# Altium PCB as_x31.PcbDoc (part 6 of 8)
Units mm, origin at the board's own origin, x right, y up, seen from the top; angles counter-clockwise.
Board outline 130 x 100 mm, 6 copper layers (Top Layer, Ground_1, int_1, int_2, Power, Bottom Layer), stack 1.49 mm thick; 424 components, 381 nets, 2569 pads, 1355 vias.
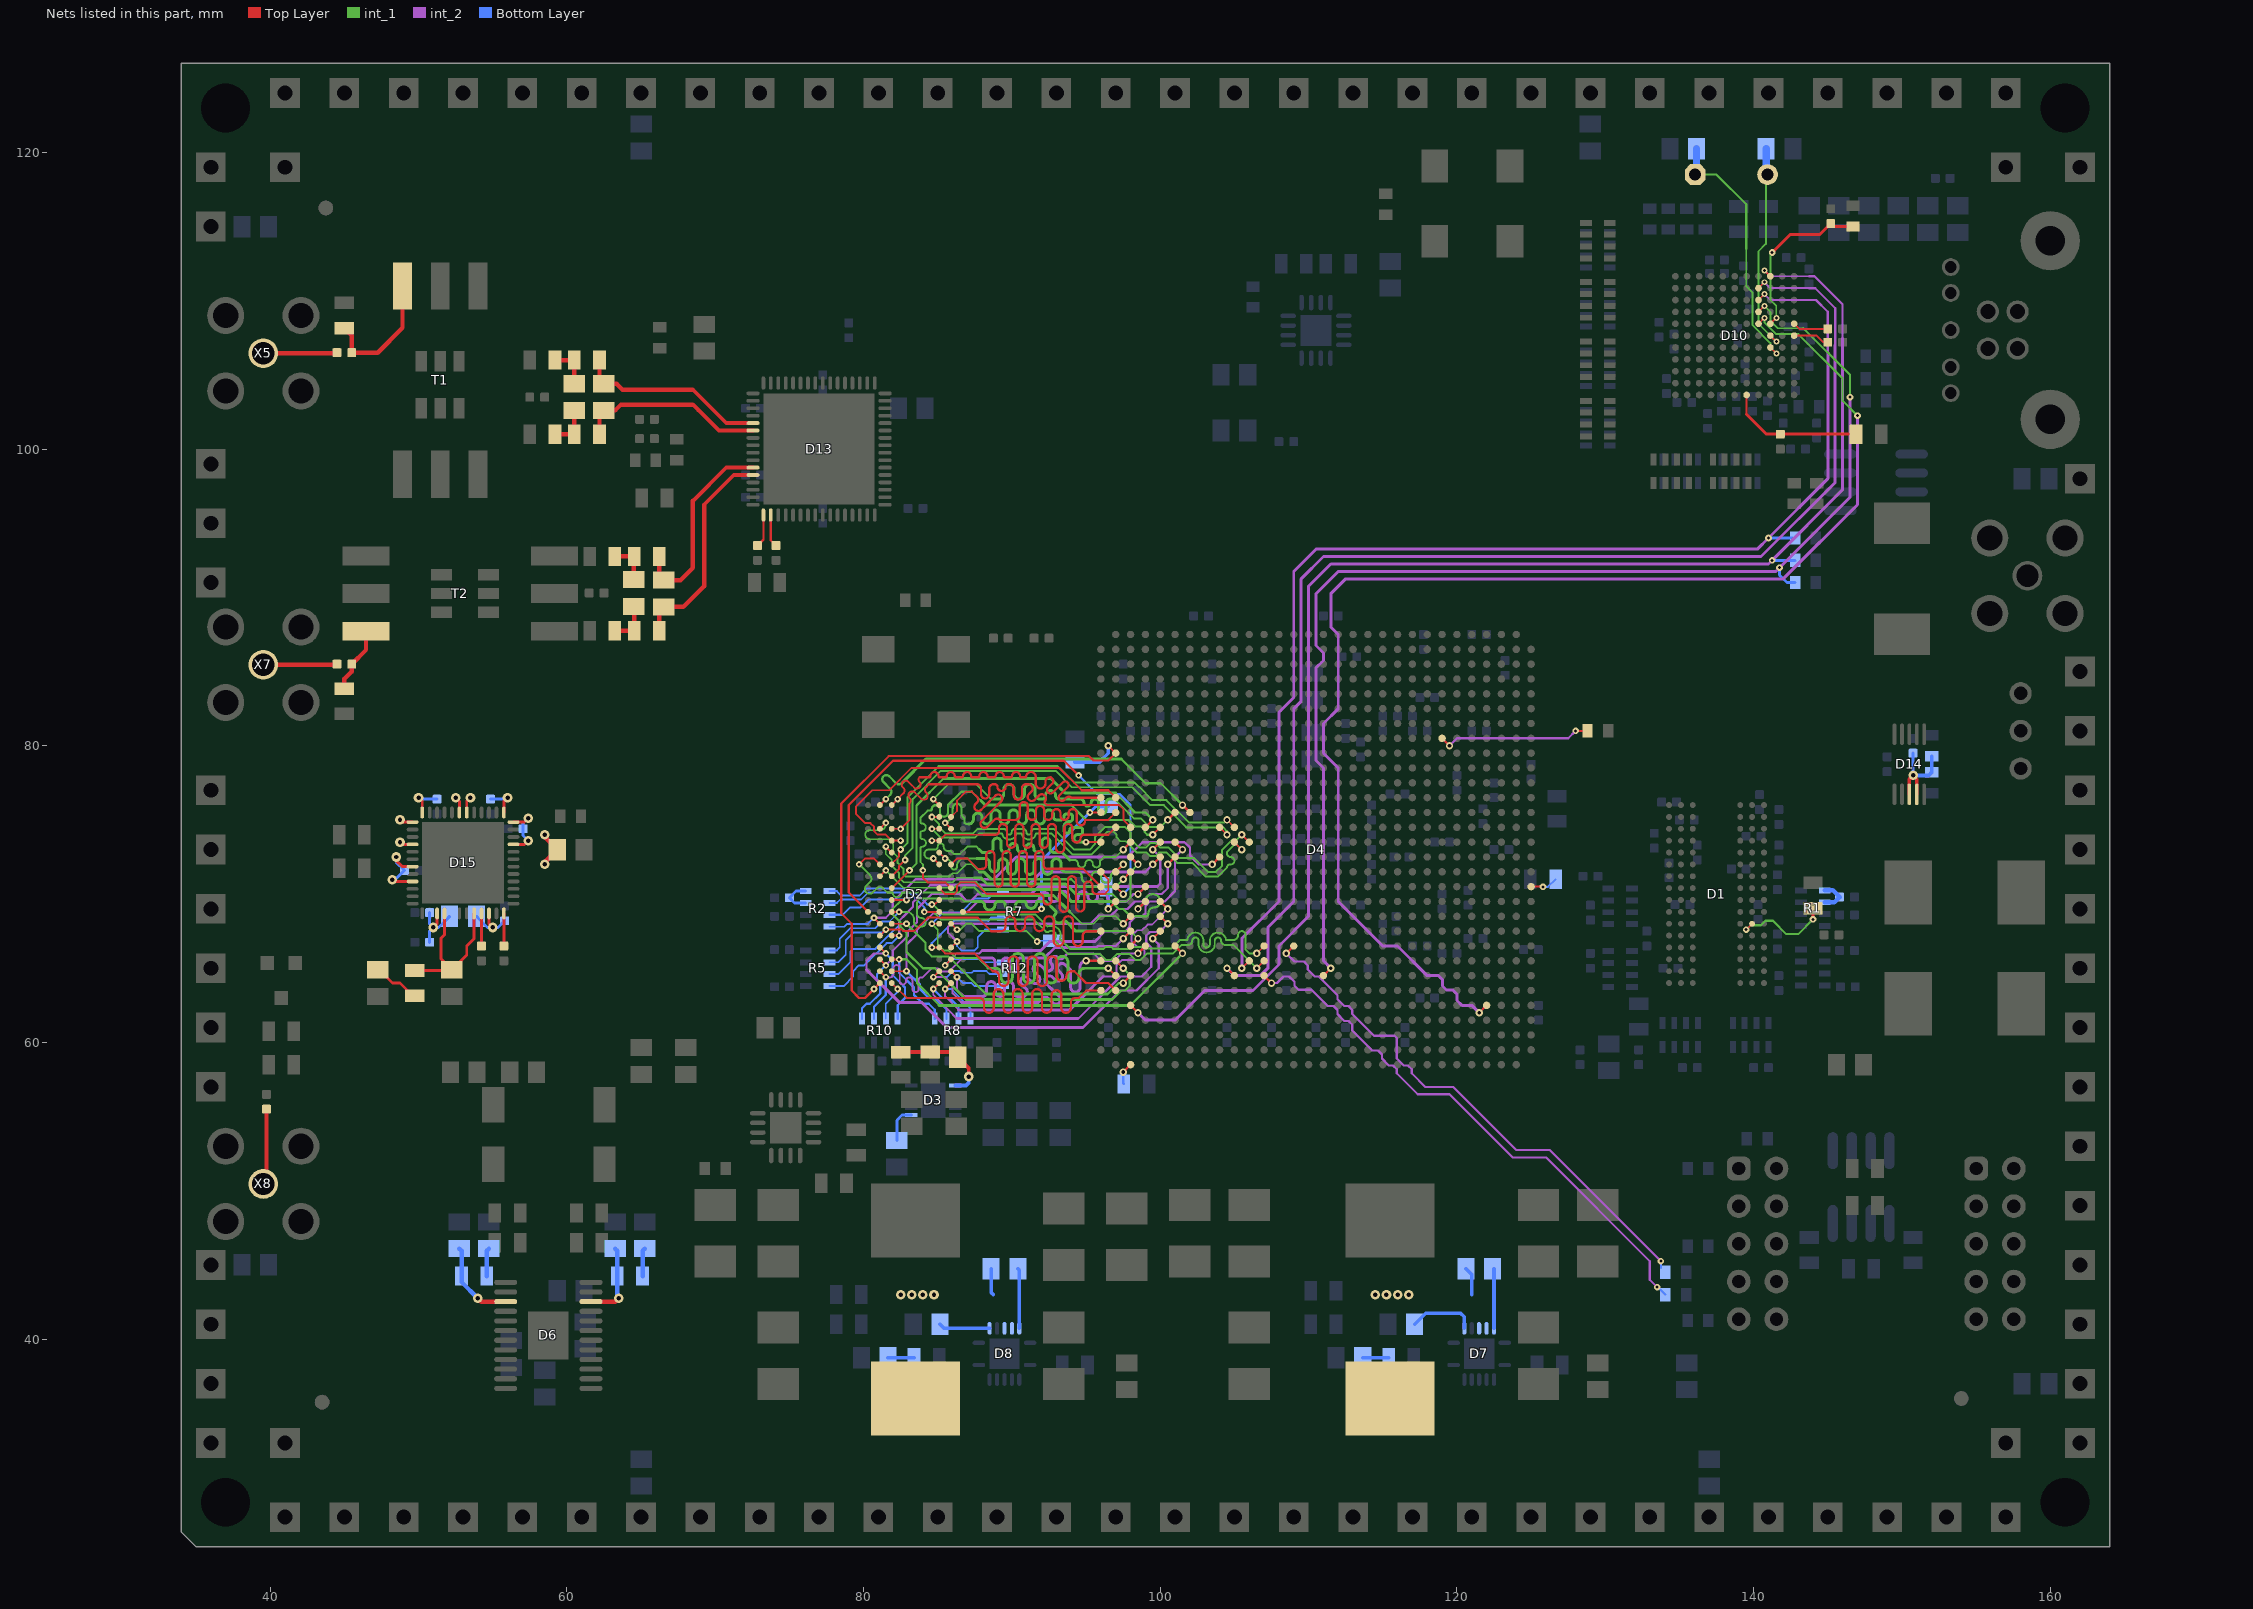
[diagram p10: the nets of this part, all layers, seen from the top]

## Via types
v1: diameter 0.5, hole 0.25, Top Layer to Bottom Layer, 538 vias
v2: diameter 0.45, hole 0.2, Top Layer to Bottom Layer, tented both sides, 353 vias
v3: diameter 0.65, hole 0.3, Top Layer to Bottom Layer, 223 vias
v4: diameter 0.5, hole 0.2, Top Layer to Bottom Layer, tented both sides, 96 vias
v5: diameter 0.4, hole 0.2, Top Layer to Bottom Layer, tented both sides, 83 vias
v6: diameter 0.75, hole 0.4, Top Layer to Bottom Layer, 46 vias
v7: diameter 0.6, hole 0.3, Top Layer to Bottom Layer, 12 vias
v8: diameter 0.5, hole 0.2, Top Layer to Bottom Layer, 4 vias

## Nets (pads, with @x,y where several pads share a name; then routed paths per layer and width w, separated by ;. In a path a pad name is that pad's centre, name@x,y a point inside that pad or via, vN(x,y) a via of type N, cw(c..) or ccw(c..) an arc to the next point about the centre after c; other vN are vias at no path point) (continued)
DDR1_A2: D2.P3 D4.F9 R8.5 | length 28.8
  Top Layer w0.125: D2.P3@81.9,65.6 v2(82.4,65.6)
  Top Layer w0.15: D4.F9@101,66.5 v1(101.5,66)
  int_1 w0.15: v2(82.4,65.6) 82.9,65.6 83.6,64.9 83.6,64 85.1,62.5 ; 98,62.5 v1(101.5,66)
  int_1 w0.2: 85.1,62.5 98,62.5
  Bottom Layer w0.15: v2(82.4,65.6) 82.4,64.699 83.4,63.699 83.4,63.2 84,62.6 84.4,62.6 84.8,62.2 R8.5@84.8,61.6
DDR1_A3: D2.N2 D4.E10 R10.8 | length 33.7
  Top Layer w0.125: D2.N2@81.1,66.4 v2(81.5,66)
  Top Layer w0.15: v1(99.5,67) D4.E10@100,67.5
  int_2 w0.15: 80.2,64.9 80.2,65.5 80.7,66 v2(81.5,66) ; 94.8,61 97.3,63.5 98.4,63.5 99.9,65 99.9,66.6 v1(99.5,67)
  int_2 w0.2: 80.2,64.9 82.4,62.7 83.9,62.7 85.6,61 94.8,61
  Bottom Layer w0.15: v2(81.5,66) 81.975,65.525 81.975,64.525 82.475,64.025 ; R10.8@82.3,61.6 82.3,62.5 82.8,63 82.8,63.701 82.476,64.025
DDR1_A4: D2.P8 D4.F16 R12.7 | length 26.5
  Top Layer w0.125: v2(85.5,65.2) D2.P8@85.9,65.6
  Top Layer w0.15: D4.F16@101,73.5 v1(101.5,73)
  int_2 w0.125: v2(85.5,65.2) 86.3,66 87.8,66
  int_2 w0.15: 87.8,66 88,66.2 ; 95.6,66.8 96.3,67.5 97.636,67.5 97.95,67.814 97.95,68.086 98.314,68.45 98.75,68.45 99,68.7 99,69.2 99.3,69.5 100.3,69.5 101,70.2 101,72.5 v1(101.5,73)
  int_2 w0.2: 88,66.2 91.95,66.2 92.55,66.8 95.6,66.8
  Bottom Layer w0.125: v2(85.5,65.2) 85.913,65.613 87.787,65.613 88,65.4 R12.7@89.4,65.4
DDR1_A5: D2.P2 D4.E16 R10.5 | length 30.5
  Top Layer w0.125: D2.P2@81.1,65.6 v2(81.5,65.2)
  Top Layer w0.15: v1(99.5,73) D4.E16@100,73.5
  int_2 w0.15: v2(81.5,65.2) 81.975,65.675 81.975,66.174 83,67.199 83,67.499 83.6,68.099 83.6,69 84.6,70 86.499,70 86.924,69.575 87.276,69.575 87.701,70 ; v1(99.5,73) 100,72.5 100,70.7 99.8,70.5
  int_2 w0.2: 87.701,70 91.3,70 91.8,70.5 99.8,70.5
  Bottom Layer w0.15: R10.5@79.9,61.6 79.9,62.3 80.2,62.6 80.425,62.6 81.125,63.3 81.125,63.975 80.9,64.2 80.9,64.6 v2(81.5,65.2)
DDR1_A6: D2.R8 D4.D9 R12.5 | length 26
  Top Layer w0.125: D2.R8@85.9,64.8 v2(86.3,64.4)
  Top Layer w0.15: v1(98.5,66) D4.D9@99,66.5
  int_2 w0.125: v2(86.3,64.4) 86.3,63.6 86.8,63.1 ; 93.75,66 95.5,66 96,65.5 96.9,65.5 97.4,66 v1(98.5,66)
  int_2 w0.2: 86.8,63.1 88,63.1 ccw(c88,63.4) 88.3,63.4 88.3,63.8 cw(c88.6,63.8) 88.6,64.1 cw(c88.6,63.8) 88.9,63.8 88.9,63.4 ccw(c89.2,63.4) 89.2,63.1 ccw(c89.2,63.4) 89.5,63.4 89.5,63.8 cw(c89.8,63.8) 89.8,64.1 cw(c89.8,63.8) 90.1,63.8 90.1,63.4 ccw(c90.4,63.4) 90.4,63.1 90.85,63.1 90.95,63.2 ccw(c90.738,63.412) 90.95,63.624 90.667,63.907 cw(c90.879,64.119) 90.667,64.331 cw(c90.879,64.119) 91.091,64.331 91.374,64.049 ccw(c91.586,64.261) 91.799,64.049 ccw(c91.586,64.261) 91.799,64.473 91.516,64.756 cw(c91.728,64.968) 91.516,65.18 cw(c91.728,64.968) 91.94,65.18 92.223,64.897 ccw(c92.435,65.109) 92.647,64.897 92.676,64.926 ccw(c92.493,65.109) 92.676,65.292 cw(c92.888,65.504) 92.676,65.717 cw(c92.888,65.504) 93.1,65.717 ccw(c93.283,65.9) 93.467,65.717 93.75,66
  Bottom Layer w0.125: v2(86.3,64.4) 86.687,64.013 87.271,64.013 87.483,63.8 R12.5@89.4,63.8
DDR1_A7: D2.R2 D4.C10 R10.6 | length 28.5
  Top Layer w0.125: D2.R2@81.1,64.8 v2(81.5,64.4)
  Top Layer w0.15: v1(97.5,67) D4.C10@98,67.5
  int_2 w0.125: v2(81.5,64.4) 81.512,64.387 81.8,64.387 ccw(c81.8,64.6) 82.013,64.6 82.013,65.001 cw(c82.225,65.001) 82.225,65.214 cw(c82.225,65.001) 82.438,65.001 82.438,64.117 ccw(c82.65,64.117) 82.65,63.904 ccw(c82.65,64.117) 82.863,64.117 82.863,64.175 cw(c83.075,64.175) 83.075,64.387 cw(c83.075,64.175) 83.288,64.175 83.288,63.6 ccw(c83.5,63.6) 83.5,63.387 ccw(c83.5,63.6) 83.713,63.6 83.713,64.2 cw(c83.9,64.2) 83.9,64.387 83.987,64.387 84.6,65 85,65 85.212,64.788 85.788,64.788 86.7,65.7 87.7,65.7
  int_2 w0.15: 95.7,66.4 95.8,66.5 97,66.5 v1(97.5,67)
  int_2 w0.2: 87.7,65.7 88.6,65.7 cw(c88.6,65.45) 88.85,65.45 88.85,64.95 ccw(c89.1,64.95) 89.1,64.7 ccw(c89.1,64.95) 89.35,64.95 89.35,65.45 cw(c89.6,65.45) 89.6,65.7 cw(c89.6,65.45) 89.85,65.45 89.85,64.95 ccw(c90.1,64.95) 90.1,64.7 ccw(c90.1,64.95) 90.35,64.95 90.35,65.45 cw(c90.6,65.45) 90.6,65.7 92.2,65.7 92.9,66.4 95.7,66.4
  Bottom Layer w0.15: R10.6@80.7,61.6 80.7,62.4 81.5,63.2 v2(81.5,64.4)
DDR1_A8: D2.T8 D4.E12 R8.8 | length 25.3
  Top Layer w0.125: v2(85.5,63.6) D2.T8@85.9,64
  Top Layer w0.15: D4.E12@100,69.5 v1(100.5,69)
  int_2 w0.125: v2(85.5,63.6) 85.5,63.1 86.4,62.2 ; 96.137,64.437 96.737,64.437 97.062,64.762 97.062,65.2 97.425,65.562 98.681,65.562 98.937,65.819 98.937,66.181 98.681,66.437 98.444,66.437 98.063,66.819 98.063,67.181 98.444,67.562 98.762,67.562 99.144,67.944 99.444,67.944 v1(100.5,69)
  int_2 w0.2: 86.4,62.2 93.9,62.2 96.137,64.437
  Bottom Layer w0.125: v2(85.5,63.6) 85.9,63.6 87.2,62.3 R8.8@87.2,61.6
DDR1_A9: D2.R3 D4.D13 R8.6 | length 28.3
  Top Layer w0.125: D2.R3@81.9,64.8 v2(82.9,64.8)
  Top Layer w0.15: v1(98.5,70) D4.D13@99,70.5
  int_2 w0.15: v2(82.9,64.8) 82.9,66.6 83.6,67.3 83.6,67.6 84.175,68.175 ; 84.175,68.176 84.699,68.7 86.9,68.7 87.7,69.5 ; 97.7,69.5 98.2,70 v1(98.5,70)
  int_2 w0.2: 87.7,69.5 91.594,69.5 ccw(c91.594,69.781) 91.875,69.781 cw(c92.2,69.781) 92.2,70.106 cw(c92.2,69.781) 92.525,69.781 ccw(c92.806,69.781) 92.806,69.5 92.85,69.5 ccw(c92.85,69.825) 93.175,69.825 93.175,69.85 cw(c93.5,69.85) 93.5,70.175 cw(c93.5,69.85) 93.825,69.85 93.825,69.825 ccw(c94.15,69.825) 94.15,69.5 ccw(c94.15,69.825) 94.475,69.825 94.475,69.85 cw(c94.8,69.85) 94.8,70.175 cw(c94.8,69.85) 95.125,69.85 95.125,69.825 ccw(c95.45,69.825) 95.45,69.5 ccw(c95.45,69.825) 95.775,69.825 95.775,69.85 cw(c96.1,69.85) 96.1,70.175 cw(c96.1,69.85) 96.425,69.85 96.425,69.825 ccw(c96.75,69.825) 96.75,69.5 97.7,69.5
  Bottom Layer w0.15: v2(82.9,64.8) 83.8,63.9 83.8,63.6 84.4,63 84.8,63 85.6,62.2 R8.6@85.6,61.6
DDR1_A10: D2.L7 D4.B7 R7.8 | length 31.6
  Top Layer w0.125: v2(84.6,68) D2.L7@85.1,68
  Top Layer w0.15: v1(96.5,65) D4.B7@97,64.5
  int_1 w0.125: v2(84.6,68) 85,67.6 85,66.6 85.4,66.2 85.7,66.2 86.2,65.7 87.7,65.7 88.4,65
  int_1 w0.2: 88.4,65 88.9,65 cw(c88.9,64.625) 89.275,64.625 89.275,64.375 ccw(c89.65,64.375) 89.65,64 ccw(c89.65,64.375) 90.025,64.375 90.025,65.625 cw(c90.4,65.625) 90.4,66 cw(c90.4,65.625) 90.775,65.625 90.775,64.375 ccw(c91.15,64.375) 91.15,64 ccw(c91.15,64.375) 91.525,64.375 91.525,65.625 cw(c91.9,65.625) 91.9,66 cw(c91.9,65.625) 92.275,65.625 92.275,64.375 ccw(c92.65,64.375) 92.65,64 ccw(c92.65,64.375) 93.025,64.375 93.025,65.424 cw(c93.4,65.424) 93.4,65.799 cw(c93.4,65.424) 93.775,65.424 93.775,64.375 ccw(c94.15,64.375) 94.15,64 ccw(c94.15,64.375) 94.525,64.375 94.525,64.625 cw(c94.9,64.625) 94.9,65 v1(96.5,65)
  Bottom Layer w0.125: 85.3,68.7 85.349,68.749 86.549,68.749 87.5,69.7 88.4,69.7
  Bottom Layer w0.15: v2(84.6,68) 85.3,68.7 ; 88.4,69.7 88.7,70 R7.8@89.4,70
DDR1_A11: D2.R7 D4.A8 R12.6 | length 26.2
  Top Layer w0.125: v2(84.7,64.4) D2.R7@85.1,64.8
  Top Layer w0.15: v1(95,65.5) D4.A8@96,65.5
  int_2 w0.125: v2(84.7,64.4) 85.5,64.4 86,63.9 86,63.3 86.6,62.7
  int_2 w0.2: 86.6,62.7 91.8,62.7 92.054,62.954 cw(c92.267,62.742) 92.479,62.954 92.762,62.672 ccw(c92.974,62.884) 93.186,62.672 ccw(c92.974,62.884) 93.186,63.096 92.691,63.591 92.306,63.976 cw(c92.518,64.188) 92.306,64.4 cw(c92.518,64.188) 92.73,64.4 92.903,64.227 ccw(c93.115,64.439) 93.327,64.227 ccw(c93.115,64.439) 93.327,64.651 93.17,64.809 cw(c93.382,65.021) 93.17,65.233 cw(c93.382,65.021) 93.594,65.233 93.964,64.864 93.964,63.7 ccw(c94.264,63.7) 94.264,63.4 94.3,63.4 ccw(c94.3,63.7) 94.6,63.7 94.6,65.1 cw(c95,65.1) v1(95,65.5)
  Bottom Layer w0.125: v2(84.7,64.4) 85.6,64.4 86,64.8 86.117,64.8 86.129,64.813 86.471,64.813 86.583,64.7 87.3,64.7 87.413,64.813 88.287,64.813 88.5,64.6 R12.6@89.4,64.6
DDR1_A12: D2.N7 D4.B6 R7.6 | length 30.5
  Top Layer w0.125: v2(84.6,66.4) D2.N7@85.1,66.4 85.5,66 87.5,66
  Top Layer w0.15: 87.5,66 88.7,64.8 88.8,64.8 cw(c88.8,64.475) 89.125,64.475 89.125,64.125 ccw(c89.45,64.125) 89.45,63.8 ccw(c89.45,64.125) 89.775,64.125 89.775,65.475 cw(c90.1,65.475) 90.1,65.8 cw(c90.1,65.475) 90.425,65.475 90.425,64.125 ccw(c90.75,64.125) 90.75,63.8 ccw(c90.75,64.125) 91.075,64.125 91.075,65.475 cw(c91.4,65.475) 91.4,65.8 cw(c91.4,65.475) 91.725,65.475 91.725,64.125 ccw(c92.05,64.125) 92.05,63.8 ccw(c92.05,64.125) 92.375,64.125 92.375,65.475 cw(c92.7,65.475) 92.7,65.8 cw(c92.7,65.475) 93.025,65.475 93.025,64.485 ccw(c93.35,64.485) 93.35,64.16 ccw(c93.35,64.485) 93.675,64.485 cw(c93.99,64.485) 93.99,64.8 94.2,64.8 95,64 96.5,64 D4.B6@97,63.5
  Bottom Layer w0.125: 84.6,66.7 86.1,68.2 88.4,68.2
  Bottom Layer w0.15: v2(84.6,66.4) 84.6,66.7 ; 88.4,68.2 88.6,68.4 R7.6@89.4,68.4
DDR1_A13: D2.T3 D4.A6 R10.7 | length 28.9
  Top Layer w0.125: D2.T3@81.9,64 v2(82.3,63.6) 82.9,63 87.5,63 ; 94.5,63 95,63.5 D4.A6@96,63.5
  Top Layer w0.15: 87.5,63 87.8,63 cw(c87.8,62.675) 88.125,62.675 88.125,62.325 ccw(c88.45,62.325) 88.45,62 ccw(c88.45,62.325) 88.775,62.325 88.775,63.27 cw(c89.1,63.27) 89.1,63.595 cw(c89.1,63.27) 89.425,63.27 89.425,62.325 ccw(c89.75,62.325) 89.75,62 ccw(c89.75,62.325) 90.075,62.325 90.075,63.269 cw(c90.4,63.269) 90.4,63.594 cw(c90.4,63.269) 90.725,63.269 90.725,62.325 ccw(c91.05,62.325) 91.05,62 ccw(c91.05,62.325) 91.375,62.325 91.375,63.269 cw(c91.7,63.269) 91.7,63.594 cw(c91.7,63.269) 92.025,63.269 92.025,62.325 ccw(c92.35,62.325) 92.35,62 ccw(c92.35,62.325) 92.675,62.325 92.675,63.191 cw(c93,63.191) 93,63.516 cw(c93,63.191) 93.325,63.191 93.325,62.325 ccw(c93.65,62.325) 93.65,62 ccw(c93.65,62.325) 93.975,62.325 93.975,62.675 cw(c94.3,62.675) 94.3,63 94.5,63
  Bottom Layer w0.125: R10.7@81.5,61.6 81.5,62.6 82.3,63.4 v2(82.3,63.6)
DDR1_A14: D2.T7 D4.E11 R8.7 | length 25.5
  Top Layer w0.125: v2(84.7,63.6) D2.T7@85.1,64
  Top Layer w0.15: D4.E11@100,68.5 v1(100.5,68)
  int_2 w0.125: v2(84.7,63.6) 84.7,63.2 85.7,62.2
  int_2 w0.15: 85.7,62.2 86.3,61.6 ; 94.464,61.6 97.314,64.45 98.75,64.45 99.4,65.1 99.4,66.4 99.05,66.75 99.05,67.186 99.314,67.45 99.95,67.45 v1(100.5,68)
  int_2 w0.2: 86.3,61.6 94.464,61.6
  Bottom Layer w0.15: v2(84.7,63.6) 85.3,63 85.8,63 86.4,62.4 R8.7@86.4,61.6
DDR1_BA0: D2.M2 D4.A10 R5.6 | length 30.7
  Top Layer w0.125: D2.M2@81.1,67.2 v2(81.5,67.6) 81.512,67.613 82.571,67.613 82.683,67.5 83.4,67.5 84.313,68.413 87.687,68.413 87.7,68.4
  Top Layer w0.15: 87.7,68.4 88.6,67.5 89.25,67.5 ccw(c89.25,67.825) 89.575,67.825 89.575,68.175 cw(c89.9,68.175) 89.9,68.5 cw(c89.9,68.175) 90.225,68.175 90.225,67.825 ccw(c90.55,67.825) 90.55,67.5 ccw(c90.55,67.825) 90.875,67.825 90.875,68.175 cw(c91.2,68.175) 91.2,68.5 cw(c91.2,68.175) 91.525,68.175 91.525,67.825 ccw(c91.85,67.825) 91.85,67.5 ccw(c91.85,67.825) 92.175,67.825 92.175,68.175 cw(c92.5,68.175) 92.5,68.5 cw(c92.5,68.175) 92.825,68.175 92.825,66.825 ccw(c93.15,66.825) 93.15,66.5 ccw(c93.15,66.825) 93.475,66.825 93.475,68.175 cw(c93.8,68.175) 93.8,68.5 cw(c93.8,68.175) 94.125,68.175 94.125,66.825 ccw(c94.45,66.825) 94.45,66.5 ccw(c94.45,66.825) 94.775,66.825 94.775,67.175 cw(c95.1,67.175) 95.1,67.5 D4.A10@96,67.5
  Bottom Layer w0.125: R5.6@77.7,65.4 78.3,65.4 78.8,65.9 78.8,66.9 79.3,67.4 81.3,67.4 v2(81.5,67.6)
DDR1_BA1: D2.N8 D4.F15 R7.5 | length 24.5
  Top Layer w0.125: D2.N8@85.9,66.4 v2(86.3,66.8)
  Top Layer w0.15: v1(100.5,72) D4.F15@101,72.5
  int_2 w0.15: v2(86.3,66.8) 85.7,67.4 85.7,67.8 85.925,68.025 87.475,68.025 87.5,68 88.7,68 ; 95.3,68 95.85,68.55 96.686,68.55 97.136,69 97.8,69 98.3,69.5 98.8,69.5 99.3,70 100.1,70 100.5,70.4 v1(100.5,72)
  int_2 w0.2: 88.7,68 95.3,68
  Bottom Layer w0.125: v2(86.3,66.8) 86.3,66.5 86.6,66.2 87.5,66.2 87.7,66.4 87.7,67.1 88.2,67.6
  Bottom Layer w0.15: 88.2,67.6 R7.5@89.4,67.6
DDR1_BA2: D2.M3 D4.E15 R5.8 | length 27.4
  Top Layer w0.125: D2.M3@81.9,67.2 v2(82.4,67.2)
  Top Layer w0.15: v1(99.5,72) D4.E15@100,72.5
  int_2 w0.15: v2(82.4,67.2) 82.4,68.199 82.825,68.624 83.325,69.125 83.325,69.425 84.5,70.6 ; 99,71.5 v1(99.5,72)
  int_2 w0.2: 84.5,70.6 91.1,70.6 92,71.5 99,71.5
  Bottom Layer w0.125: R5.8@77.7,63.8 78.651,63.8 79.3,64.45 79.3,64.8 79.689,65.189 80.039,65.189 81.55,66.7 81.9,66.7 v2(82.4,67.2)
DDR1_CAS: D2.K3 D4.C9 R5.5 | length 30.2
  Top Layer w0.125: D2.K3@81.9,68.8 v2(82.4,68.8)
  Top Layer w0.15: D4.C9@98,66.5 v1(98.5,67)
  int_1 w0.125: v2(82.4,68.8) 82.9,68.8 cw(c82.9,68.3) 83.4,68.3 83.4,68.1 ccw(c83.7,68.1) 83.7,67.8 83.9,67.8 ccw(c83.9,68.088) 84.189,68.088 84.189,68.1 ccw(c83.9,68.1) 83.9,68.388 cw(c83.9,68.688) 83.6,68.688 83.6,69.4 cw(c83.913,69.4) 83.913,69.713 86.588,69.713 86.8,69.5 87.358,69.5 ; 95.8,67.5 98,67.5 v1(98.5,67)
  int_1 w0.2: 87.358,69.5 87.919,69.5 cw(c87.919,69.269) 88.15,69.269 ccw(c88.5,69.269) 88.5,68.919 ccw(c88.5,69.269) 88.85,69.269 cw(c89.081,69.269) 89.081,69.5 89.32,69.5 cw(c89.32,69.27) 89.55,69.27 ccw(c89.9,69.27) 89.9,68.92 ccw(c89.9,69.27) 90.25,69.27 cw(c90.48,69.27) 90.48,69.5 90.837,69.5 cw(c90.837,69.387) 90.95,69.387 ccw(c91.3,69.387) 91.3,69.037 ccw(c91.3,69.387) 91.65,69.387 cw(c91.763,69.387) 91.763,69.5 92.3,69.5 92.924,68.876 cw(c92.806,68.758) 92.924,68.639 ccw(c93.171,68.392) 92.924,68.144 ccw(c93.171,68.392) 93.419,68.144 cw(c93.537,68.026) 93.656,68.144 94.3,67.5 95.8,67.5
  Bottom Layer w0.125: R5.5@77.7,66.2 78.2,66.2 78.4,66.4 78.4,67 79.1,67.7 80.8,67.7 81.25,68.15 81.75,68.15 v2(82.4,68.8)
DDR1_CK_N: D2.K7 D4.M8 R2.6 | length 36.6
  Top Layer w0.125: v2(84.1,68.8) 84.5,68.8 D2.K7@85.1,68.8 ; v1(106.5,65) D4.M8@107,65.5
  int_1 w0.13: v2(84.1,68.8) 84.7,68.8 85.2,68.3 91.45,68.3 92.268,67.482 ccw(c92.385,67.599) 92.484,67.467 cw(c92.664,67.228) 92.964,67.228 cw(c92.664,67.228) 92.903,67.048 ccw(c93.035,66.948) 92.918,66.831 93.78,65.97 95.908,65.97 96.318,65.56 96.682,65.56 97.092,65.97 97.908,65.97 98.318,65.56 98.682,65.56 99.1,65.978 99.1,66 100.878,66 101.448,66.57 101.869,66.57 ccw(c101.869,66.855) 102.154,66.855 cw(c102.369,66.855) 102.369,67.07 cw(c102.369,66.855) 102.584,66.855 102.584,66.615 ccw(c103.129,66.615) 103.129,66.07 ccw(c103.129,66.615) 103.674,66.615 103.674,66.855 cw(c103.889,66.855) 103.889,67.07 cw(c103.889,66.855) 104.104,66.855 ccw(c104.389,66.855) 104.389,66.57 104.93,66.57 v1(106.5,65)
  Bottom Layer w0.125: R2.6@77.7,69.4 78.2,69.4 78.435,69.635 79.835,69.635 80.3,70.1 83.113,70.1 84.1,69.113 v2(84.1,68.8)
DDR1_CK_P: D2.J7 D4.M9 R2.5 | length 36.4
  Top Layer w0.125: v2(84.6,69.3) 84.8,69.3 D2.J7@85.1,69.6 ; v1(106.5,66) D4.M9@107,66.5
  int_1 w0.13: v2(84.6,69.3) 84.667,69.3 85.337,68.63 91.587,68.63 92.412,67.805 cw(c92.664,67.228) 93.294,67.228 cw(c92.664,67.228) 93.241,66.976 93.917,66.3 96.178,66.3 96.318,66.44 96.682,66.44 96.822,66.3 97.984,66.3 98.014,66.33 98.022,66.322 98.14,66.44 98.86,66.44 98.97,66.33 100.741,66.33 101.311,66.9 101.826,66.9 cw(c102.369,66.855) 102.369,67.4 cw(c102.369,66.855) 102.914,66.855 102.914,66.615 ccw(c103.129,66.615) 103.129,66.4 ccw(c103.129,66.615) 103.344,66.615 103.344,66.855 cw(c103.889,66.855) 103.889,67.4 cw(c103.889,66.855) 104.433,66.9 104.9,66.9 ccw(c104.9,67.25) 105.25,67.25 cw(c105.5,67.25) 105.5,67.5 cw(c105.5,67.25) 105.75,67.25 105.75,66.25 106,66 v1(106.5,66)
  Bottom Layer w0.125: R2.5@77.7,70.2 78.2,70.2 78.5,69.9 79.725,69.9 80.19,70.365 83.222,70.365 84.287,69.3 v2(84.6,69.3)
DDR1_CKE: D2.K9 D4.A18 R16.2 | length 15.4
  Top Layer w0.125: D2.K9@86.7,68.8 87.7,68.8 91.8,68.8 v2(92,69) ; v2(95.25,75.5) D4.A18@96,75.5
  Bottom Layer w0.2: v2(92,69) 92,72.25 v2(95.25,75.5) 95.65,75.9 R16.2@96.5,75.9
DDR1_CS: D2.L2 D4.J15 R2.8 | length 30.7
  Top Layer w0.125: v2(80.7,68.4) D2.L2@81.1,68
  Top Layer w0.15: v1(103.5,72) D4.J15@104,72.5
  int_2 w0.15: v2(80.7,68.4) 81.5,68.4 81.975,68.875 81.975,69.475 83.5,71 88.8,71 ; 97.8,72.5 98.8,73.5 101.636,73.5 102,73.136 102,72.6 102.6,72 v1(103.5,72)
  int_2 w0.2: 88.8,71 90.3,72.5 97.8,72.5
  Bottom Layer w0.125: R2.8@77.7,67.8 78.7,67.8 78.889,67.989 80.288,67.989 v2(80.7,68.4)
DDR1_DM0: D2.E7 D4.B14 | length 22.9
  Top Layer w0.125: D2.E7@85.1,72.8 v2(85.5,72.4)
  Top Layer w0.15: D4.B14@97,71.5 v1(97.5,72)
  int_1 w0.125: v2(85.5,72.4) cw(c85.5,71.989) 85.911,71.989 85.911,71.838 ccw(c86.1,71.838) 86.1,71.649 ccw(c86.1,71.849) 86.3,71.849 86.3,71.9 cw(c86.787,71.9) 86.787,72.387 87.6,72.387
  int_1 w0.15: 94.038,71.5 94.363,71.5 ; 94.388,71.5 cw(c94.388,71.175) 94.713,71.175 94.713,71.1 ccw(c95.038,71.1) 95.038,70.775 ccw(c95.038,71.1) 95.363,71.1 95.363,71.175 cw(c95.688,71.175) 95.688,71.5 cw(c95.688,71.175) 96.013,71.175 96.013,71.1 ccw(c96.338,71.1) 96.338,70.775 ccw(c96.338,71.1) 96.663,71.1 96.663,71.175 cw(c96.988,71.175) 96.988,71.5 ; 97,71.5 v1(97.5,72)
  int_1 w0.2: 87.6,72.387 88.2,72.387 cw(c88.2,72.087) 88.5,72.087 88.5,71.795 ccw(c88.8,71.795) 88.8,71.495 ccw(c88.8,71.795) 89.1,71.795 89.1,72.087 cw(c89.4,72.087) 89.4,72.387 cw(c89.4,72.087) 89.7,72.087 89.7,71.625 ccw(c90,71.625) 90,71.325 ccw(c90,71.625) 90.3,71.625 90.3,72.087 cw(c90.6,72.087) 90.6,72.387 cw(c90.6,72.087) 90.9,72.087 90.9,71.625 ccw(c91.2,71.625) 91.2,71.325 ccw(c91.2,71.625) 91.5,71.625 91.5,72.087 cw(c91.8,72.087) 91.8,72.387 cw(c91.8,72.087) 92.1,72.087 92.1,71.625 ccw(c92.4,71.625) 92.4,71.325 ccw(c92.4,71.625) 92.7,71.625 92.7,72.087 cw(c93,72.087) 93,72.387 cw(c93,72.087) 93.3,72.087 93.3,71.8 ccw(c93.6,71.8) 93.6,71.5 94.038,71.5
DDR1_DM1: D2.D3 D4.B19 | length 23.8
  Top Layer w0.125: v2(82.5,73.6) D2.D3@81.9,73.6 81.487,74.013 80.939,74.013 80.712,74.239 80.712,74.536 80.46,74.788 80.129,74.788 79.488,75.429 79.488,75.888 80.6,77 81.725,77 83.225,78.5 ; 96.5,77 D4.B19@97,76.5
  Top Layer w0.15: 83.225,78.5 93.2,78.5 94.7,77 96.5,77
DDR1_DQ0: D2.E3 D4.C15 | length 22.8
  Top Layer w0.125: v2(81.5,73.2) D2.E3@81.9,72.8
  Top Layer w0.15: D4.C15@98,72.5 v1(98.5,72)
  int_1 w0.125: v2(81.5,73.2) 81.5,72.7 81.9,72.3 81.9,71.9 82.4,71.4 82.4,71.1 82.7,70.8 86,70.8 86.3,71.1 87.475,71.1 ; 94.3,70 96.8,70 97.3,69.5 97.7,69.5 98,69.8 98,71.5 v1(98.5,72)
  int_1 w0.2: 87.475,71.1 87.9,71.1 88.325,70.675 93.625,70.675 94.3,70
DDR1_DQ1: D2.F7 D4.C16 | length 22.8
  Top Layer w0.125: v2(84.7,72.4) D2.F7@85.1,72
  Top Layer w0.15: v1(97.5,73) D4.C16@98,73.5
  int_1 w0.125: v2(84.7,72.4) 84.4,72.4 cw(c84.4,72.7) 84.1,72.7 cw(c84.4,72.7) 84.4,73 84.811,73 ccw(c84.811,73.188) 85,73.188 85,73.218 cw(c85.2,73.218) 85.2,73.418 cw(c85.2,73.218) 85.4,73.218 85.4,73.2 ccw(c85.7,73.2) 85.7,72.9 85.889,72.9 86.089,72.7 86.5,72.7 87.013,73.213 87.587,73.213 87.8,73 ; 94.2,72.3 cw(c94.2,72.05) 94.45,72.05 ccw(c94.7,72.05) 94.7,71.8 ccw(c94.7,72.05) 94.95,72.05 cw(c95.2,72.05) 95.2,72.3 cw(c95.2,72.05) 95.45,72.05 ccw(c95.7,72.05) 95.7,71.8 ccw(c95.7,72.05) 95.95,72.05 95.95,72.25 96.2,72.5 97,72.5 v1(97.5,73)
  int_1 w0.15: 93.9,72.3 94.2,72.3
  int_1 w0.2: 87.8,73 88,72.8 88.45,72.8 ccw(c88.45,73.075) 88.725,73.075 88.725,73.495 cw(c89,73.495) 89,73.77 cw(c89,73.495) 89.275,73.495 89.275,73.075 ccw(c89.55,73.075) 89.55,72.8 ccw(c89.55,73.075) 89.825,73.075 89.825,73.143 cw(c90.1,73.143) 90.1,73.418 cw(c90.1,73.143) 90.375,73.143 90.375,73.075 ccw(c90.65,73.075) 90.65,72.8 ccw(c90.65,73.075) 90.925,73.075 90.925,73.107 cw(c91.2,73.107) 91.2,73.382 cw(c91.2,73.107) 91.475,73.107 91.475,73.075 ccw(c91.75,73.075) 91.75,72.8 ccw(c91.75,73.075) 92.025,73.075 92.025,73.505 cw(c92.3,73.505) 92.3,73.78 cw(c92.3,73.505) 92.575,73.505 92.575,73.075 ccw(c92.85,73.075) 92.85,72.8 93.4,72.8 93.9,72.3
DDR1_DQ2: D2.F2 D4.C11 | length 24.5
  Top Layer w0.125: v2(79.7,72) 80.1,72.4 80.7,72.4 D2.F2@81.1,72
  Top Layer w0.15: v1(97.5,68) D4.C11@98,68.5
  int_1 w0.125: v2(79.7,72) 80.442,71.258 cw(c80.221,71.037) 80.442,70.816 80.177,70.551 ccw(c80.398,70.33) 80.177,70.109 ccw(c80.398,70.33) 80.619,70.109 80.884,70.374 cw(c81.105,70.153) 81.326,70.374 81.547,70.153 ; 87.462,70.437 86.737,70.437 86.4,70.1 82.588,70.1 82.588,70.09 cw(c82.275,70.09) 82.275,69.777 cw(c82.275,70.09) 81.963,70.09 81.963,70.1 81.6,70.1 ; 93.9,68.8 94.7,68 95.5,68 96,68.5 97,68.5 v1(97.5,68) ; 81.547,70.153 81.6,70.1 ; 81.547,70.153 81.6,70.1
  int_1 w0.15: 87.462,70.437 88,69.9
  int_1 w0.2: 88,69.9 92.8,69.9 93.9,68.8
DDR1_DQ3: D2.F8 D4.A13 | length 26
  Top Layer w0.125: D2.F8@85.9,72 86.288,72.388 87.012,72.388 87.7,71.7 88,71.7
  Top Layer w0.15: 88,71.7 ccw(c88,71.975) 88.275,71.975 88.275,72.625 cw(c88.55,72.625) 88.55,72.9 cw(c88.55,72.625) 88.825,72.625 88.825,70.775 ccw(c89.1,70.775) 89.1,70.5 ccw(c89.1,70.775) 89.375,70.775 89.375,72.625 cw(c89.65,72.625) 89.65,72.9 cw(c89.65,72.625) 89.925,72.625 89.925,70.775 ccw(c90.2,70.775) 90.2,70.5 ccw(c90.2,70.775) 90.475,70.775 90.475,72.625 cw(c90.75,72.625) 90.75,72.9 cw(c90.75,72.625) 91.025,72.625 91.025,70.775 ccw(c91.3,70.775) 91.3,70.5 ccw(c91.3,70.775) 91.575,70.775 91.575,72.625 cw(c91.85,72.625) 91.85,72.9 cw(c91.85,72.625) 92.125,72.625 92.125,71.975 ccw(c92.4,71.975) 92.4,71.7 94.8,71.7 D4.A13@96,70.5